# KiCad board reform2-motherboard.kicad_pcb (continued)
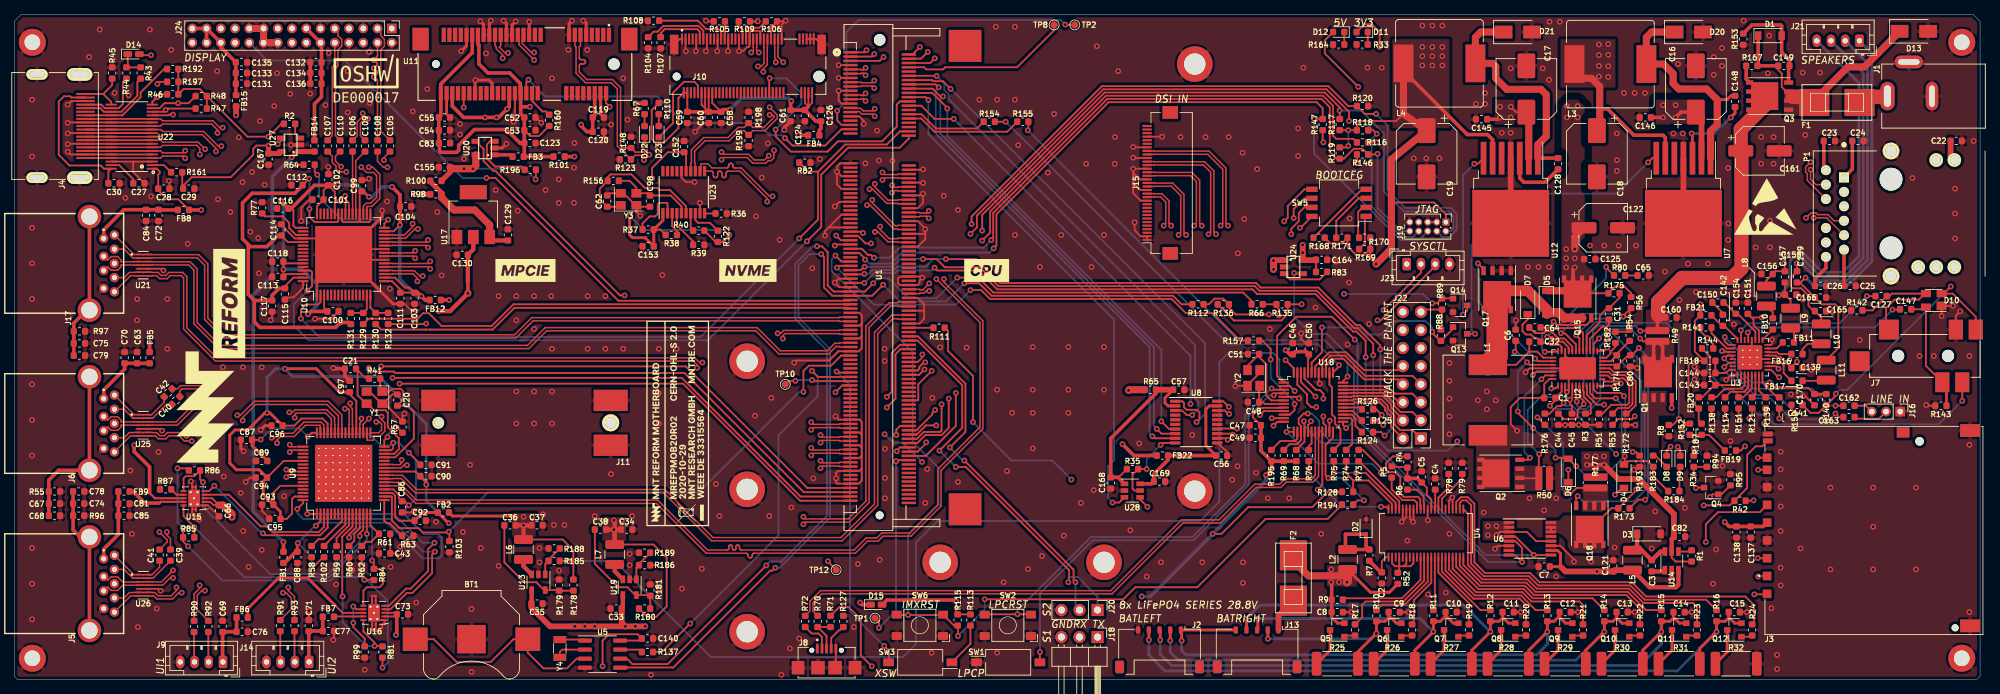
[diagram p0: board, top side]
## Routing (per net, layer and track width the routed paths; a pad name or vN(x,y) marks a point on that pad's centre or on a via; arc(x,y) is an arc through that point) (continued)
  Bottom w0.25: J19.8 196.36,62.2 194.86,62.2 190.57,66.49 190.57,75.97 v1(191.3,76.7) 189.5,78.5 v1(187.4,78.5)
IMX_JTAG_TMS: length 116.5
  Top w0.25: R117.2 186.1,80.4 184,82.5 153.09,82.5 135.9,65.31 v1(135.9,63.1) ; U1.77 116.05,61.75 v1(115.4,62.4)
  Signal.Cu w0.25: v1(115.4,62.4) 117.23,60.57 133.37,60.57 v1(135.9,63.1)
  Bottom w0.25: v1(186.07,79.97) 189.1,79.97 192.3,76.77 192.3,68.6 195.1,65.8 201.4,65.8 202.05,65.15 202.05,63.37 201.71,63.03 J19.2
IMX_PWM4: length 27.8
  Top w0.25: TP1.1 121.4,8.1 v1(121.4,7.3) ; U1.180 123.95,30.85 v1(123.8,30.7)
  Bottom w0.25: v1(123.8,30.7) 123.8,9.7 v1(121.4,7.3)
IMX_RESETn: length 134.3
  Top w0.25: v1(136.25,11.3) 155.7,11.3 157.4,13 166.1,13 175.7,22.6 184.41,22.6 R194.1 ; U1.87 116.15,58.75 v1(115.3,59.6) ; SW6.2 123.95,9.1 v1(125.5,9.1) 130.35,9.1 SW6.2 131.94,7.61 R115.2 132.5,7.56 v1(132.5,6.15)
  Bottom w0.25: v1(136.25,11.3) 136.25,9.9 v1(132.5,6.15) ; v1(115.3,59.6) 114.77,59.07 114.77,57.43 126.15,46.05 126.15,33.4 129.8,29.75 129.8,24.6 125.5,20.3 v1(125.5,9.1)
IMX_RTC_IRQ: length 55.9
  Top w0.25: R137.1 90.9,3.9 v1(94.9,7.9) ; v1(112,43.4) 112.85,42.55 U1.141
  Bottom w0.25: v1(112,43.4) 112.8,42.6 112.8,39.83 107.3,34.33 107.3,20.3 v1(94.9,7.9)
IMX_UART1_RX: length 64.9
  Top w0.25: v1(122.5,39.75) 123.2,40.45 123.2,45.9 124.35,47.05 U1.126
  Signal.Cu w0.25: J18.2 150.74,4.82 153.21,4.82 153.28,4.89 153.28,7.11 153.21,7.18 152.22,7.18 150.92,8.48 150.92,10.17 149.51,11.59 144.05,11.59 125.75,29.89 125.75,34.46 123.5,36.71 123.5,38.75 v1(122.5,39.75)
IMX_UART1_TX: length 57
  Top w0.25: v1(122.5,38.25) 123.73,39.48 123.73,45.74 124.44,46.45 U1.128
  Signal.Cu w0.25: J18.1 151.62,6 148.38,9.24 148.38,10.17 147.42,11.14 143.86,11.14 125.3,29.7 125.3,34.27 122.5,37.07 v1(122.5,38.25)
IMX_UART2_RX: length 51.1
  Top w0.25: v1(149,13.7) 148.73,13.97 148.73,15.47 v1(133.4,30.8) ; v1(131.36,32.64) 133.55,34.82 133.55,41.59 126.89,48.25 U1.122
  Bottom w0.25: v1(133.4,30.8) 133.2,30.8 v1(131.36,32.64) ; J20.2 149,10.36 v1(149,13.7)
IMX_UART2_TX: length 55.3
  Top w0.25: v1(132.2,29.9) 133.6,29.9 148.1,15.4 148.1,13.8 v1(148,13.7) ; U1.124 126.85,47.65 133.1,41.4 133.1,35.4 v1(129.9,32.2)
  Bottom w0.25: v1(132.2,29.9) v1(129.9,32.2) ; J20.1 152.1,11.67 149.35,14.43 148.16,14.43 148,14.27 v1(148,13.7)
IMX_WAKE: length 93
  Top w0.25: U1.145 116.25,41.35 v1(115.3,40.4) ; U18.21 183.65,27.35 v1(183,26.7)
  Signal.Cu w0.25: v1(183,26.7) 178.15,21.85 134.42,21.85 126.2,30.07 126.2,34.65 123.95,36.9 123.95,39.75 122.9,40.8 115.7,40.8 v1(115.3,40.4)
INA_SCL: length 55.4
  Top w0.25: U6.9 v1(213.36,17.53) 210.76,20.12 U6.4 ; v1(181.6,37.4) 181.03,37.4 180.33,36.7 180.33,35.98 180.65,35.66 U18.15 180.65,33.65 180.1,33.1 179.06,33.1 R69.2
  Bottom w0.25: v1(181.6,37.4) 182.17,37.4 183.23,36.33 183.23,35.07 184.6,33.7 190.4,33.7 206.57,17.53 v1(213.36,17.53)
INA_SDA: length 50.2
  Top w0.25: U6.5 210.76,19.47 211.7,18.54 v1(211.7,16.55) 210.72,17.53 U6.8 ; v1(181.05,36.32) 181.15,36.23 U18.16 181.15,33.44 R68.2
  Bottom w0.25: v1(181.05,36.32) 181.05,35.76 183.56,33.25 190.21,33.25 206.91,16.55 v1(211.7,16.55)
LPC_MISO: length 95.8
  Top w0.25: v1(119.36,57.03) 119.28,56.95 U1.93 ; v1(191.8,46.4) 191.8,46.97 188.94,49.83 188.37,49.83 183.1,55.1 175,55.1 174.35,55.75 138.38,55.75 135.03,59.1 v1(130.8,59.1) ; R124.2 191.9,34.8 v1(192.4,34.3)
  Bottom w0.25: v1(192.4,34.3) 193.3,35.2 193.3,39 191.8,40.5 v1(191.8,46.4) ; v1(130.8,59.1) 129.03,59.1 127.98,58.05 123.97,58.05 123.49,57.57 120.47,57.57 119.92,57.03 v1(119.36,57.03)
LPC_MOSI: length 93.1
  Top w0.25: v1(190.8,45.6) 190.8,47.21 188.63,49.38 188.16,49.38 182.89,54.65 174.81,54.65 174.16,55.3 138.19,55.3 135.54,57.95 130.65,57.95 129.5,59.1 v1(127.6,59.1) ; R125.2 191.6,36.4 v1(192.2,35.8) ; v1(119.39,58.03) 119.33,58.03 118.85,57.55 U1.91
  Bottom w0.25: v1(127.6,59.1) 127.57,59.13 124.42,59.13 123.31,58.02 119.96,58.02 119.96,58.03 v1(119.39,58.03) ; v1(190.8,45.6) 190.8,40 192.73,38.07 192.73,36.33 v1(192.2,35.8)
LPC_SCK: length 90.4
  Top w0.25: U1.97 v1(119.35,55.75) ; v1(192,37.2) 191.2,38 R126.2 ; v1(129.2,57.9) 129.6,57.5 135.35,57.5 138,54.85 173.85,54.85 174.5,54.2 182.7,54.2 187.97,48.93 188.45,48.93 189.74,47.64 v1(189.74,45.33)
  Bottom w0.25: v1(189.74,45.33) 189.74,39.46 v1(192,37.2) ; v1(129.2,57.9) 128.8,57.5 124.06,57.5 123.68,57.12 120.72,57.12 v1(119.35,55.75)
LPC_SS0: length 65.9
  Top w0.25: v1(134.25,54.75) 135.75,54.75 137,53.5 162.5,53.5 164.5,51.5 168.25,51.5 172.1,47.65 R157.2 ; U1.89 115.75,58.15 v1(115.5,57.9)
  Signal.Cu w0.25: v1(134.25,54.75) 134.1,54.6
  Bottom w0.25: v1(115.5,57.9) 120.7,52.7 132.2,52.7 v1(134.25,54.75)
LPC_UART2_RX: length 63.9
  Top w0.25: R154.1 v1(139.2,78.4) ; U18.37 186,44.01 v1(186,44.2)
  Bottom w0.25: v1(186,44.2) 183.07,47.13 170.47,47.13 v1(139.2,78.4)
LPC_UART2_TX: length 62.7
  Top w0.25: v1(187.2,42.6) 186.56,41.96 U18.36 ; R155.2 142.39,77.29 v1(142.3,77.2)
  Bottom w0.25: v1(187.2,42.6) 187.2,44.47 183.97,47.71 171.79,47.71 v1(142.3,77.2)
PCIE1_CLK_N: length 66.2
  Top w0.2: v1(105.93,73.63) 105.32,73.03 103.89,73.03 103.09,73.83 99.6,73.83 v1(99.3,74.12) ; v1(120.08,68.93) 120.5,68.93 122.51,66.92 124.02,66.92 124.1,66.85 U1.60 ; U11.11 79.5,89.1 79.33,88.92 79.33,87.42 79.33,87.36 79.35,87.29 79.39,87.24 79.44,87.19 79.49,87.15 79.56,87.13 79.62,87.12 79.9,87.12 79.97,87.12 80.03,87.1 80.09,87.06 80.14,87.01 80.17,86.96 80.2,86.89 80.2,86.83 80.2,86.76 80.17,86.69 80.14,86.64 80.09,86.59 80.03,86.55 79.97,86.53 79.9,86.53 79.62,86.53 79.56,86.52 79.49,86.5 79.44,86.46 79.39,86.41 79.35,86.36 79.33,86.29 79.33,86.22 79.33,85.39 80.39,84.33 83.99,84.33 85.12,83.19 85.12,75.2 85.61,74.71 R148.2 87.17,74.14 88.38,74.14 88.75,73.77 v1(89.17,73.77)
  Signal.Cu w0.2: v1(105.93,73.63) 106.35,73.63 110.76,69.22 119.79,69.22 v1(120.08,68.93) ; v1(89.17,73.77) 89.46,73.48 95.66,73.48 96.01,73.83 99,73.83 v1(99.3,74.12)
PCIE1_CLK_P: length 68.2
  Top w0.2: v1(88.43,73.03) 88.43,73.45 88.19,73.69 87.17,73.69 R123.2 84.67,75.01 84.67,83.01 83.81,83.88 80.21,83.88 78.88,85.21 78.88,88.92 78.7,89.1 U11.13 ; U1.58 124.1,67.45 124.02,67.38 122.69,67.38 120.82,69.25 v1(120.82,69.67) ; v1(99.3,73.08) 99.6,73.38 102.91,73.38 103.71,72.58 105.51,72.58 105.87,72.93 106.26,72.93 106.63,73.29 106.63,73.69 106.67,73.73 v1(106.67,74.37)
  Signal.Cu w0.2: v1(99.3,73.08) 99,73.38 96.19,73.38 95.85,73.03 v1(88.43,73.03) ; v1(106.67,74.37) 106.67,73.95 110.95,69.67 v1(120.82,69.67)
PCIE1_PWR_EN: length 182.1
  Top w0.25: U20.4 65.9,74.55 65.9,72.85 67.25,71.5 67.55,71.5 85.05,54 v1(85.7,54) ; U18.9 175.45,37.75 v1(174.9,37.2) ; R186.1 v1(90.7,16.1)
  Signal.Cu w0.25: v1(85.7,54) 103.2,54 111.5,45.7 119.54,45.7 126.65,38.59 126.65,33 127.5,32.15 128.74,32.15 136.04,39.45 161.3,39.45 162.25,40.4 171.7,40.4 v1(174.9,37.2)
  Power.Cu w0.25: v1(90.7,16.1) 87.95,18.85 87.95,51.75 v1(85.7,54)
PCIE1_RESETn: length 52
  Top w0.25: v1(108.2,76.1) 109.25,75.05 113.85,75.05 116.15,77.35 U1.37 ; v1(72.2,84.3) 71.9,84 U11.22
  Bottom w0.25: v1(108.2,76.1) 107.8,76.5 106.03,76.5 104.33,78.2 94.05,78.2 90.3,81.95 74.55,81.95 v1(72.2,84.3)
PCIE1_RX_N: length 81
  Top w0.2: U11.23 71.5,89.9 71.33,89.72 71.33,89.39 72.59,88.12 v1(73,88.12) ; U1.54 124.1,68.65 124.02,68.72 123.55,68.72 v1(123.25,68.42)
  Signal.Cu w0.2: v1(123.25,68.42) 123.55,68.72 125.29,68.72 126.18,69.61 126.18,73.29 124.74,74.72 116.79,74.72 112.32,79.19 112.32,82.34 111.07,83.59 111.07,88.54 108.09,91.53 77.81,91.53 76.74,90.46 76.69,90.42 76.63,90.39 76.56,90.37 76.49,90.37 76.43,90.39 76.37,90.42 76.32,90.46 76.28,90.49 76.23,90.54 76.17,90.56 76.1,90.58 76.03,90.58 75.97,90.56 75.91,90.54 75.86,90.49 75.81,90.44 75.78,90.38 75.77,90.31 75.77,90.25 75.78,90.18 75.81,90.12 75.86,90.07 75.89,90.03 75.93,89.98 75.96,89.92 75.98,89.85 75.98,89.79 75.96,89.72 75.93,89.66 75.89,89.61 74.11,87.83 73.3,87.83 v1(73,88.12)
PCIE1_RX_P: length 81
  Top w0.2: v1(73,87.08) 70.88,89.2 70.88,89.72 70.7,89.9 U11.25 ; v1(123.25,69.47) 123.55,69.17 124.02,69.17 124.1,69.25 U1.52
  Signal.Cu w0.2: v1(73,87.08) 73.3,87.38 74.29,87.38 74.91,87.99 74.96,88.03 75.02,88.06 75.09,88.08 75.15,88.08 75.22,88.06 75.28,88.03 75.33,87.99 75.54,87.78 75.6,87.74 75.66,87.71 75.72,87.69 75.79,87.69 75.86,87.71 75.92,87.74 75.97,87.78 76.01,87.83 76.04,87.89 76.05,87.96 76.05,88.03 76.04,88.09 76.01,88.15 75.97,88.2 75.76,88.42 75.72,88.47 75.69,88.53 75.67,88.59 75.67,88.66 75.69,88.73 75.72,88.79 75.76,88.84 77.99,91.08 107.91,91.08 110.62,88.36 110.62,83.41 111.88,82.16 111.88,79.01 116.61,74.28 124.56,74.28 125.72,73.11 125.72,69.79 125.11,69.17 123.55,69.17 v1(123.25,69.47)
PCIE1_TX_N: length 85.2
  Top w0.2: U11.31 68.3,89.1 68.12,88.92 68.12,88.84 68.9,88.07 v1(69.32,88.07) ; U1.48 124.1,70.45 124.02,70.53 122.2,70.53 v1(121.9,70.22)
  Signal.Cu w0.2: v1(69.32,88.07) 67.79,88.07 67.33,87.61 67.33,85.96 71.11,82.17 73.53,82.17 73.57,82.17 73.61,82.16 73.64,82.13 73.67,82.1 73.7,82.07 73.71,82.03 73.72,81.94 73.74,81.9 73.76,81.86 73.79,81.83 73.83,81.81 73.87,81.8 73.91,81.79 74.12,81.79 74.17,81.8 74.21,81.81 74.24,81.83 74.27,81.86 74.3,81.9 74.31,81.94 74.32,82.03 74.34,82.07 74.36,82.1 74.39,82.13 74.43,82.16 74.47,82.17 74.51,82.17 85.69,82.17 87.53,84.01 87.53,87.61 89.44,89.53 107.11,89.53 109.22,87.41 109.22,82.81 110.32,81.71 110.32,78.76 118.56,70.53 121.6,70.53 v1(121.9,70.22)
PCIE1_TX_P: length 85
  Top w0.2: U1.46 124.1,71.05 124.02,70.97 122.2,70.97 v1(121.9,71.28) ; U11.33 67.5,89.1 67.67,88.92 67.67,88.66 68.58,87.75 v1(68.58,87.33)
  Signal.Cu w0.2: v1(121.9,71.28) 121.6,70.97 118.74,70.97 110.78,78.94 110.78,81.89 109.68,82.99 109.68,87.59 107.29,89.97 89.26,89.97 87.08,87.79 87.08,84.19 85.51,82.62 77.53,82.62 77.46,82.63 77.39,82.65 77.34,82.69 77.29,82.74 77.25,82.79 77.23,82.86 77.22,82.92 77.22,83.08 77.22,83.15 77.2,83.21 77.16,83.27 77.11,83.32 77.06,83.35 76.99,83.37 76.92,83.38 76.86,83.37 76.79,83.35 76.74,83.32 76.69,83.27 76.65,83.21 76.63,83.15 76.62,83.08 76.62,82.92 76.62,82.86 76.6,82.79 76.56,82.74 76.51,82.69 76.46,82.65 76.39,82.63 76.33,82.62 76.26,82.63 76.19,82.65 76.14,82.69 76.09,82.74 76.05,82.79 76.03,82.86 76.03,82.92 76.03,83.08 76.02,83.15 76,83.21 75.96,83.27 75.91,83.32 75.86,83.35 75.79,83.37 75.72,83.38 75.66,83.37 75.59,83.35 75.54,83.32 75.49,83.27 75.45,83.21 75.43,83.15 75.42,83.08 75.42,82.92 75.42,82.86 75.4,82.79 75.36,82.74 75.31,82.69 75.26,82.65 75.19,82.63 75.12,82.62 71.29,82.62 67.78,86.14 67.78,87.42 67.97,87.62 68.29,87.62 v1(68.58,87.33)
PCIE2_CLK_N: length 40
  Top w0.2: v1(128.4,64.83) 128.1,65.12 127.18,65.12 127.1,65.05 U1.66 ; U23.11 97.85,71.45 97.92,71.44 97.98,71.42 98.04,71.38 98.08,71.34 98.12,71.28 98.14,71.22 98.15,71.15 98.15,70.85 98.16,70.78 98.18,70.72 98.22,70.66 98.26,70.61 98.32,70.58 98.38,70.55 98.45,70.55 98.52,70.55 98.58,70.58 98.64,70.61 98.68,70.66 98.72,70.72 98.74,70.78 98.75,70.85 98.75,71.15 98.76,71.22 98.78,71.28 98.82,71.34 98.86,71.38 98.92,71.42 98.98,71.44 99.05,71.45 99.12,71.44 99.18,71.42 99.24,71.38 99.28,71.34 99.32,71.28 99.34,71.22 99.35,71.15 99.35,70.85 99.36,70.78 99.38,70.72 99.42,70.66 99.46,70.61 99.52,70.58 99.58,70.55 99.65,70.55 99.72,70.55 99.78,70.58 99.84,70.61 99.88,70.66 99.92,70.72 99.94,70.78 99.95,70.85 99.95,71.15 99.96,71.22 99.98,71.28 100.02,71.34 100.06,71.38 100.12,71.42 100.18,71.44 100.25,71.45 101.88,71.45 105.72,67.61 105.72,67.56 105.73,67.55 v1(105.73,67.18)
  Signal.Cu w0.2: v1(105.73,67.18) 106.15,67.18 108.21,65.12 128.1,65.12 v1(128.4,64.83)
PCIE2_CLK_P: length 40
  Top w0.2: v1(128.4,65.88) 128.1,65.58 127.18,65.58 127.1,65.65 U1.64 ; U23.12 96.4,71.57 96.4,72.42 96.46,72.48 97.39,72.48 97.97,71.9 100,71.9 100.07,71.91 100.13,71.93 100.19,71.97 100.23,72.01 100.27,72.07 100.29,72.13 100.3,72.2 100.3,72.25 100.31,72.31 100.33,72.38 100.37,72.43 100.41,72.48 100.47,72.52 100.53,72.54 100.6,72.55 100.67,72.54 100.73,72.52 100.79,72.48 100.83,72.43 100.87,72.38 100.89,72.31 100.9,72.25 100.9,72.2 100.91,72.13 100.93,72.07 100.97,72.01 101.01,71.97 101.07,71.93 101.13,71.91 101.2,71.9 102.07,71.9 106.05,67.92 v1(106.47,67.92)
  Signal.Cu w0.2: v1(106.47,67.92) 106.47,67.5 108.39,65.58 128.1,65.58 v1(128.4,65.88)
PCIE2_RESETn: length 39.2
  Top w0.25: J10.50 106,84.45 v1(106.05,84.5) ; v1(106.9,77.3) 106.9,76.33 109.03,74.2 114.2,74.2 115.65,75.65 121.85,75.65 123.9,77.7 123.9,80.8 124.35,81.25 U1.24
  Bottom w0.25: v1(106.05,84.5) 108.4,84.5 110.5,82.4 110.5,80.9 v1(106.9,77.3)
PCIE2_RX_N: length 50
  Top w0.2: J10.41 103.75,88.86 103.78,88.84 103.78,88.42 v1(103.47,88.12) ; U1.78 124.1,61.45 124.02,61.53 122.66,61.53 121.25,62.93 v1(120.83,62.93)
  Signal.Cu w0.2: v1(120.83,62.93) 120.83,63.35 120.51,63.67 107.31,63.67 101.57,69.41 101.57,83.83 101.57,83.89 101.55,83.96 101.51,84.01 101.46,84.06 101.41,84.1 101.34,84.12 101.28,84.12 101.17,84.12 101.1,84.13 101.04,84.15 100.98,84.19 100.94,84.24 100.9,84.29 100.88,84.36 100.87,84.42 100.88,84.49 100.9,84.56 100.94,84.61 100.98,84.66 101.04,84.7 101.1,84.72 101.17,84.72 101.28,84.72 101.34,84.73 101.41,84.75 101.46,84.79 101.51,84.84 101.55,84.89 101.57,84.96 101.57,85.03 101.57,85.81 103.47,87.71 v1(103.47,88.12)
PCIE2_RX_P: length 50
  Top w0.2: J10.43 104.25,88.86 104.22,88.84 104.22,88.42 v1(104.53,88.12) ; U1.76 124.1,62.05 124.02,61.97 122.84,61.97 121.57,63.25 v1(121.57,63.67)
  Signal.Cu w0.2: v1(121.57,63.67) 121.15,63.67 120.69,64.12 107.49,64.12 102.03,69.59 102.03,82.12 102.03,82.19 102.05,82.26 102.09,82.31 102.14,82.36 102.19,82.4 102.26,82.42 102.32,82.42 102.68,82.42 102.75,82.43 102.81,82.45 102.87,82.49 102.91,82.54 102.95,82.59 102.97,82.66 102.98,82.72 102.97,82.79 102.95,82.86 102.91,82.91 102.87,82.96 102.81,83 102.75,83.02 102.68,83.03 102.32,83.03 102.26,83.03 102.19,83.05 102.14,83.09 102.09,83.14 102.05,83.19 102.03,83.26 102.03,83.33 102.03,85.62 v1(104.53,88.12)
PCIE2_TX_N: length 44.1
  Top w0.2: U1.72 124.1,63.25 124.02,63.33 123.51,63.33 120.15,66.68 v1(119.73,66.68) ; v1(104.43,86.17) 104.85,86.17 105.28,86.59 105.28,88.84 105.25,88.86 J10.47
  Signal.Cu w0.2: v1(119.73,66.68) 119.73,67.1 119.46,67.38 109.81,67.38 104.18,73.01 104.18,80.54 104.17,80.6 104.15,80.66 104.12,80.71 104.07,80.75 104.02,80.78 103.97,80.8 103.85,80.81 103.79,80.83 103.74,80.87 103.7,80.91 103.67,80.96 103.65,81.02 103.64,81.08 103.64,81.14 103.65,81.2 103.67,81.26 103.7,81.31 103.74,81.35 103.79,81.38 103.85,81.4 103.97,81.41 104.02,81.43 104.07,81.47 104.12,81.51 104.15,81.56 104.17,81.62 104.18,81.67 104.18,85.49 104.43,85.75 v1(104.43,86.17)
PCIE2_TX_P: length 44
  Top w0.2: v1(120.47,67.42) 120.47,67 123.69,63.78 124.02,63.78 124.1,63.85 U1.70 ; J10.49 105.75,88.86 105.72,88.84 105.72,86.41 105.17,85.85 v1(105.17,85.43)
  Signal.Cu w0.2: v1(105.17,85.43) 104.6,84.86 104.6,83.7 104.61,83.63 104.63,83.57 104.67,83.51 104.71,83.47 104.77,83.43 104.83,83.41 104.9,83.4 105.3,83.4 105.37,83.39 105.43,83.37 105.49,83.33 105.53,83.29 105.57,83.23 105.59,83.17 105.6,83.1 105.59,83.03 105.57,82.97 105.53,82.91 105.49,82.87 105.43,82.83 105.37,82.81 105.3,82.8 104.9,82.8 104.83,82.79 104.77,82.77 104.71,82.73 104.67,82.69 104.63,82.63 104.61,82.57 104.6,82.5 104.6,78.11 104.62,78.09 104.62,73.19 109.99,67.83 120.07,67.83 v1(120.47,67.42)
SD2_CD: length 156.3
  Top w0.25: J3.10 245.43,32.8 244.5,32.8 243.3,31.6 243.3,26.95 243.15,26.8 243.15,26.79 R42.2 240.86,24.5 v1(237.2,24.5) ; v1(131.9,78.8) 129.2,78.8 127.35,80.65 U1.26
  Signal.Cu w0.25: v1(237.2,24.5) 235.35,22.65 213.05,22.65 203.5,32.2 177.7,32.2 170.65,39.25 165.65,39.25 v1(165.15,38.75)
  Bottom w0.25: v1(165.15,38.75) 165.15,45.55 v1(131.9,78.8)
SD2_CLK: length 72.8
  Top w0.25: U28.3 155.14,24.9 v1(154.2,24.9) ; U1.22 127.95,81.85 v1(128.35,81.45)
  Bottom w0.25: v1(154.2,24.9) 153.55,25.55 153.55,30 154.4,30.85 154.4,50.6 128.35,76.65 v1(128.35,81.45)
SD2_CMD: length 65.2
  Top w0.25: 163,35.22 162.12,35.22 v1(161.05,36.3) ; v1(131,80.25) 131,80.35 128.9,82.45 U1.20
  Bottom w0.25: v1(131,80.25) 131,76.4 161.05,46.35 v1(161.05,36.3)
SD2_DATA0: length 69.8
  Top w0.25: U1.12 129.48,84.85 v1(129.5,84.83) ; v1(165.4,37.2) 164.6,37.2 163.97,37.83 U8.3
  Bottom w0.25: v1(165.4,37.2) 166.28,38.07 166.28,39.05 165.8,39.52 165.8,46.96 131.14,81.62 131.14,82.3 130.57,82.88 130.57,83.76 v1(129.5,84.83)
SD2_DATA1: length 74.4
  Top w0.25: v1(131.46,83.01) 130.37,84.1 129,84.1 128.85,84.25 U1.14 ; U8.1 164,39.12 164.22,38.9 164.22,38.3 164.6,37.92 166.08,37.92 166.4,37.6 166.4,36.6 v1(166,36.2)
  Bottom w0.25: v1(131.46,83.01) 167.2,47.27 167.2,37.4 v1(166,36.2)
SD2_DATA2: length 69.5
  Top w0.25: U8.9 160.07,33.92 v1(159.8,34.2) ; v1(129.79,83.22) 129.36,83.65 U1.16
  Bottom w0.25: v1(129.79,83.22) 129.39,82.82 129.39,76.74 159.4,46.73 159.4,34.6 v1(159.8,34.2)
SD2_DATA3: length 67.6
  Top w0.25: v1(130.42,81.96) 130.03,81.96 128.94,83.05 U1.18 ; U8.8 161.07,34.58 v1(160.4,35.25)
  Bottom w0.25: v1(160.4,35.25) 160,35.65 160,46.76 130.02,76.74 130.02,81.56 v1(130.42,81.96)
USB1_DN: length 128
  Top w0.2: v1(129.47,56.3) 135.6,50.17 135.6,35.52 129.68,29.59 129.68,24.59 125.71,20.62 121.81,20.62 121.11,19.92 119.61,19.92 117.91,18.22 102.07,18.22 102.02,18.23 101.97,18.25 101.92,18.28 101.88,18.32 101.85,18.37 101.83,18.42 101.82,18.47 101.82,18.68 101.82,18.74 101.8,18.79 101.77,18.84 101.73,18.88 101.68,18.91 101.63,18.93 101.57,18.93 101.52,18.93 101.47,18.91 101.42,18.88 101.38,18.84 101.35,18.79 101.33,18.74 101.32,18.68 101.32,18.47 101.32,18.42 101.3,18.37 101.27,18.32 101.23,18.28 101.18,18.25 101.13,18.23 101.07,18.22 101.02,18.23 100.97,18.25 100.92,18.28 100.88,18.32 100.85,18.37 100.83,18.42 100.82,18.47 100.82,18.68 100.82,18.74 100.8,18.79 100.77,18.84 100.73,18.88 100.68,18.91 100.63,18.93 100.57,18.93 100.52,18.93 100.47,18.91 100.42,18.88 100.38,18.84 100.35,18.79 100.33,18.74 100.32,18.68 100.32,18.47 100.32,18.42 100.3,18.37 100.27,18.32 100.23,18.28 100.18,18.25 100.13,18.23 100.07,18.22 97.34,18.22 90.32,25.25 56.47,25.25 53.99,27.72 53.1,27.72 53.08,27.75 U9.22 ; v1(128.46,55.68) 127.55,54.78 127.18,54.78 127.1,54.85 U1.100
  Signal.Cu w0.2: v1(128.46,55.68) 128.76,55.38 128.97,55.38 129.47,55.89 v1(129.47,56.3)
USB1_DP: length 128
  Top w0.2: v1(130.53,56.3) 130.53,55.88 136,50.4 136,35.28 130.12,29.41 130.12,24.41 125.89,20.17 121.99,20.17 121.29,19.47 119.79,19.47 118.09,17.78 103.93,17.78 103.86,17.77 103.79,17.75 103.74,17.71 103.69,17.66 103.65,17.61 103.63,17.54 103.62,17.47 103.62,17.42 103.62,17.36 103.6,17.29 103.56,17.24 103.51,17.19 103.46,17.15 103.39,17.13 103.32,17.12 103.26,17.13 103.19,17.15 103.14,17.19 103.09,17.24 103.05,17.29 103.03,17.36 103.03,17.42 103.03,17.47 103.02,17.54 103,17.61 102.96,17.66 102.91,17.71 102.86,17.75 102.79,17.77 102.72,17.78 97.16,17.78 90.16,24.78 56.36,24.78 53.89,27.25 U9.21 ; U1.102 127.1,54.25 127.18,54.33 127.74,54.33 128.05,54.63 v1(128.46,54.63)
  Signal.Cu w0.2: v1(128.46,54.63) 128.76,54.93 129.16,54.93 v1(130.53,56.3)
USB1_RX_N: length 104.4
  Top w0.2: U9.24 53.08,28.75 53.1,28.72 54.49,28.72 56.49,26.72 91.34,26.72 98.09,19.97 116.06,19.97 120.78,24.69 120.78,48.79 123.23,51.25 U1.112
USB1_RX_P: length 104.4
  Top w0.2: U9.23 53.08,28.25 53.1,28.28 54.31,28.28 56.31,26.28 91.16,26.28 97.91,19.53 116.24,19.53 121.22,24.51 121.22,48.61 123.34,50.72 124.02,50.72 124.1,50.65 U1.114
USB1_TX_N: length 108
  Top w0.2: v1(54.39,30.89) 54.39,30.46 54.15,30.22 53.1,30.22 53.08,30.25 U9.27 ; v1(110.8,22.9) 111.1,22.6 117.08,22.6 119.57,25.09 119.57,49.69 122.86,52.97 124.02,52.97 124.1,53.05 U1.106
  Signal.Cu w0.2: v1(54.39,30.89) 57.93,30.89 59.93,28.88 59.98,28.84 60.04,28.82 60.1,28.8 60.17,28.8 60.23,28.82 60.29,28.84 60.39,28.92 60.45,28.95 60.51,28.97 60.57,28.97 60.63,28.95 60.69,28.92 60.74,28.88 60.76,28.86 60.8,28.81 60.83,28.76 60.84,28.69 60.84,28.63 60.83,28.57 60.8,28.51 60.72,28.41 60.69,28.35 60.68,28.29 60.68,28.23 60.69,28.16 60.72,28.11 60.76,28.06 65.72,23.09 65.72,22.34 67.94,20.12 105.91,20.12 108.38,22.6 110.5,22.6 v1(110.8,22.9)
USB1_TX_P: length 108
  Top w0.2: v1(55.13,30.14) 54.71,30.14 54.34,29.78 53.1,29.78 53.08,29.75 U9.26 ; U1.108 124.1,52.45 124.02,52.53 123.04,52.53 120.03,49.51 120.03,24.91 117.27,22.15 111.1,22.15 v1(110.8,21.85)
  Signal.Cu w0.2: v1(55.13,30.14) 55.42,30.44 57.75,30.44 60.57,27.62 60.61,27.56 60.64,27.5 60.65,27.44 60.65,27.37 60.64,27.3 60.61,27.24 60.57,27.19 60.5,27.12 60.46,27.07 60.43,27.01 60.41,26.95 60.41,26.88 60.43,26.81 60.46,26.75 60.5,26.7 60.55,26.66 60.61,26.63 60.68,26.61 60.74,26.61 60.81,26.63 60.87,26.66 60.92,26.7 60.99,26.77 61.04,26.81 61.1,26.84 61.17,26.85 61.24,26.85 61.3,26.84 61.36,26.81 61.41,26.77 65.28,22.91 65.28,22.16 67.76,19.67 106.09,19.67 108.57,22.15 110.5,22.15 v1(110.8,21.85)
USB2_DN: length 117.9
  Top w0.2: J17.2 13.11,58.95 13.11,58.96 13.6,59.45 14.52,59.45 15.01,58.96 15.01,58.72 16.85,58.72 16.87,58.75 U21.3 17.99,58.75 18.01,58.72 18.19,58.72 18.21,58.75 U21.12 19.33,58.75 19.35,58.72 24.69,58.72 25.67,57.74 25.67,50.19 28.89,46.97 72.06,46.97 74.56,49.47 104.29,49.47 107.54,46.22 114.16,46.22 115.21,47.28 115.82,47.28 115.9,47.35 U1.125
USB2_DP: length 117.9
  Top w0.2: J17.3 13.11,58.05 13.11,58.04 13.6,57.55 14.52,57.55 15.01,58.04 15.01,58.28 16.85,58.28 16.87,58.25 U21.4 17.99,58.25 18.01,58.28 18.19,58.28 18.21,58.25 U21.11 19.33,58.25 19.35,58.28 24.51,58.28 25.22,57.56 25.22,50.01 28.71,46.53 72.24,46.53 74.74,49.03 104.11,49.03 107.36,45.78 114.34,45.78 115.39,46.83 115.82,46.83 115.9,46.75 U1.127
USB2_RX_N: length 122
  Top w0.2: U1.121 115.9,48.55 115.82,48.62 108.19,48.62 107.92,48.35 v1(107.92,47.93) ; J17.5 16.34,56.78 16.85,56.78 16.87,56.75 U21.7 17.99,56.75 18.01,56.78 18.19,56.78 18.21,56.75 U21.8 19.33,56.75 19.35,56.78 20,56.78 20.43,56.35 21.47,56.35 21.9,56.78 23.46,56.78 23.77,56.46 23.77,49.26 28.26,44.78 95.36,44.78 95.88,44.25 v1(95.88,43.83)
  Signal.Cu w0.2: v1(107.92,47.93) 107.5,47.93 107.28,47.71 107.28,43.61 104.09,40.42 99.71,40.42 96.3,43.83 v1(95.88,43.83)
USB2_RX_P: length 121.4
  Top w0.2: v1(107.18,48.67) 107.6,48.67 108.01,49.08 115.82,49.08 115.9,49.15 U1.119 ; J17.6 15.42,56.5 16.15,57.22 16.85,57.22 16.87,57.25 U21.6 17.99,57.25 18.01,57.22 18.19,57.22 18.21,57.25 U21.9 19.33,57.25 19.35,57.22 20.19,57.22 20.61,56.8 21.29,56.8 21.71,57.22 23.64,57.22 24.23,56.64 24.23,49.44 28.44,45.22 95.54,45.22 96.2,44.57 v1(96.62,44.57)
  Signal.Cu w0.2: v1(96.62,44.57) 96.62,44.15 99.89,40.88 103.91,40.88 106.82,43.79 106.82,47.89 107.18,48.25 v1(107.18,48.67)
USB2_TX_N: length 114.1
  Top w0.2: U1.115 115.9,50.35 115.82,50.42 72.84,50.42 70.44,48.03 29.31,48.03 26.72,50.61 26.72,58.26 25.71,59.28 19.35,59.28 19.33,59.25 U21.13 18.21,59.25 18.19,59.28 18.01,59.28 17.99,59.25 U21.2 16.87,59.25 16.85,59.28 16.65,59.28 15.42,60.5 J17.8
USB2_TX_P: length 114.7
  Top w0.2: U1.113 115.9,50.95 115.82,50.88 72.66,50.88 70.26,48.47 29.49,48.47 27.17,50.79 27.17,58.44 25.89,59.72 19.35,59.72 19.33,59.75 U21.14 18.21,59.75 18.19,59.72 18.01,59.72 17.99,59.75 U21.1 16.87,59.75 16.85,59.72 16.84,59.72 J17.9
USB3_1_DN: length 55.2
  Top w0.2: v1(51.57,36.97) 51.57,36.55 52.03,36.09 52.03,34.91 51.37,34.25 50.45,34.25 50.45,33.71 50.39,33.65 49.61,33.65 49.55,33.71 49.55,34.65 U9.34 ; v1(24.48,38.4) 24.48,37.99 22.71,36.22 19.35,36.22 19.33,36.25 U25.12 18.21,36.25 18.19,36.22 18.01,36.22 17.99,36.25 U25.3 16.87,36.25 16.85,36.22 15.01,36.22 15.01,36.46 14.52,36.95 13.6,36.95 13.11,36.46 13.11,36.45 J6.2
  Signal.Cu w0.2: v1(24.48,38.4) 24.78,38.7 24.78,41.49 26.11,42.83 26.62,42.83 26.67,42.83 26.71,42.85 26.75,42.87 26.78,42.9 26.81,42.94 26.82,42.98 26.83,43.07 26.85,43.12 26.87,43.15 26.9,43.19 26.94,43.21 26.99,43.23 27.03,43.23 27.12,43.23 27.17,43.23 27.21,43.21 27.25,43.19 27.28,43.15 27.31,43.12 27.32,43.07 27.33,42.98 27.35,42.94 27.37,42.9 27.4,42.87 27.44,42.85 27.49,42.83 27.53,42.83 47.29,42.83 50.92,39.19 50.92,37.19 51.15,36.97 v1(51.57,36.97)
USB3_1_DP: length 55.1
  Top w0.2: U9.33 51.18,34.7 51.58,35.09 51.58,35.91 51.25,36.23 v1(50.83,36.23) ; J6.3 13.11,35.55 13.11,35.54 13.6,35.05 14.52,35.05 15.01,35.54 15.01,35.78 16.85,35.78 16.87,35.75 U25.4 17.99,35.75 18.01,35.78 18.19,35.78 18.21,35.75 U25.11 19.33,35.75 19.35,35.78 22.9,35.78 v1(25.53,38.4)
  Signal.Cu w0.2: v1(25.53,38.4) 25.22,38.7 25.22,41.31 26.29,42.38 28.03,42.38 28.09,42.37 28.16,42.35 28.21,42.31 28.26,42.26 28.3,42.21 28.32,42.14 28.33,42.08 28.33,42.05 28.33,41.98 28.35,41.92 28.39,41.86 28.44,41.81 28.49,41.78 28.56,41.76 28.62,41.75 28.69,41.76 28.76,41.78 28.81,41.81 28.86,41.86 28.9,41.92 28.92,41.98 28.92,42.05 28.92,42.08 28.93,42.14 28.95,42.21 28.99,42.26 29.04,42.31 29.09,42.35 29.16,42.37 29.22,42.38 29.29,42.37 29.36,42.35 29.41,42.31 29.46,42.26 29.5,42.21 29.52,42.14 29.53,42.08 29.53,42.05 29.53,41.98 29.55,41.92 29.59,41.86 29.64,41.81 29.69,41.78 29.76,41.76 29.83,41.75 29.89,41.76 29.96,41.78 30.01,41.81 30.06,41.86 30.1,41.92 30.12,41.98 30.12,42.05 30.12,42.08 30.13,42.14 30.15,42.21 30.19,42.26 30.24,42.31 30.29,42.35 30.36,42.37 30.42,42.38 30.49,42.37 30.56,42.35 30.61,42.31 30.66,42.26 30.7,42.21 30.72,42.14 30.72,42.08 30.72,42.05 30.73,41.98 30.75,41.92 30.79,41.86 30.84,41.81 30.89,41.78 30.96,41.76 31.03,41.75 31.09,41.76 31.16,41.78 31.21,41.81 31.26,41.86 31.3,41.92 31.32,41.98 31.33,42.05 31.33,42.08 31.33,42.14 31.35,42.21 31.39,42.26 31.44,42.31 31.49,42.35 31.56,42.37 31.62,42.38 31.69,42.37 31.76,42.35 31.81,42.31 31.86,42.26 31.9,42.21 31.92,42.14 31.92,42.08 31.92,42.05 31.93,41.98 31.95,41.92 31.99,41.86 32.04,41.81 32.09,41.78 32.16,41.76 32.22,41.75 32.29,41.76 32.36,41.78 32.41,41.81 32.46,41.86 32.5,41.92 32.52,41.98 32.53,42.05 32.53,42.08 32.53,42.14 32.55,42.21 32.59,42.26 32.64,42.31 32.69,42.35 32.76,42.37 32.83,42.38 32.89,42.37 32.96,42.35 33.01,42.31 33.06,42.26 33.1,42.21 33.12,42.14 33.12,42.08 33.12,42.05 33.13,41.98 33.15,41.92 33.19,41.86 33.24,41.81 33.29,41.78 33.36,41.76 33.42,41.75 33.49,41.76 33.56,41.78 33.61,41.81 33.66,41.86 33.7,41.92 33.72,41.98 33.72,42.05 33.72,42.08 33.73,42.14 33.75,42.21 33.79,42.26 33.84,42.31 33.89,42.35 33.96,42.37 34.03,42.38 47.11,42.38 50.47,39.01 50.47,37.01 50.83,36.65 v1(50.83,36.23)
